# Altium PCB praxis_top_level_pcbdoc_v2.PcbDoc (part 2 of 4) (continued)
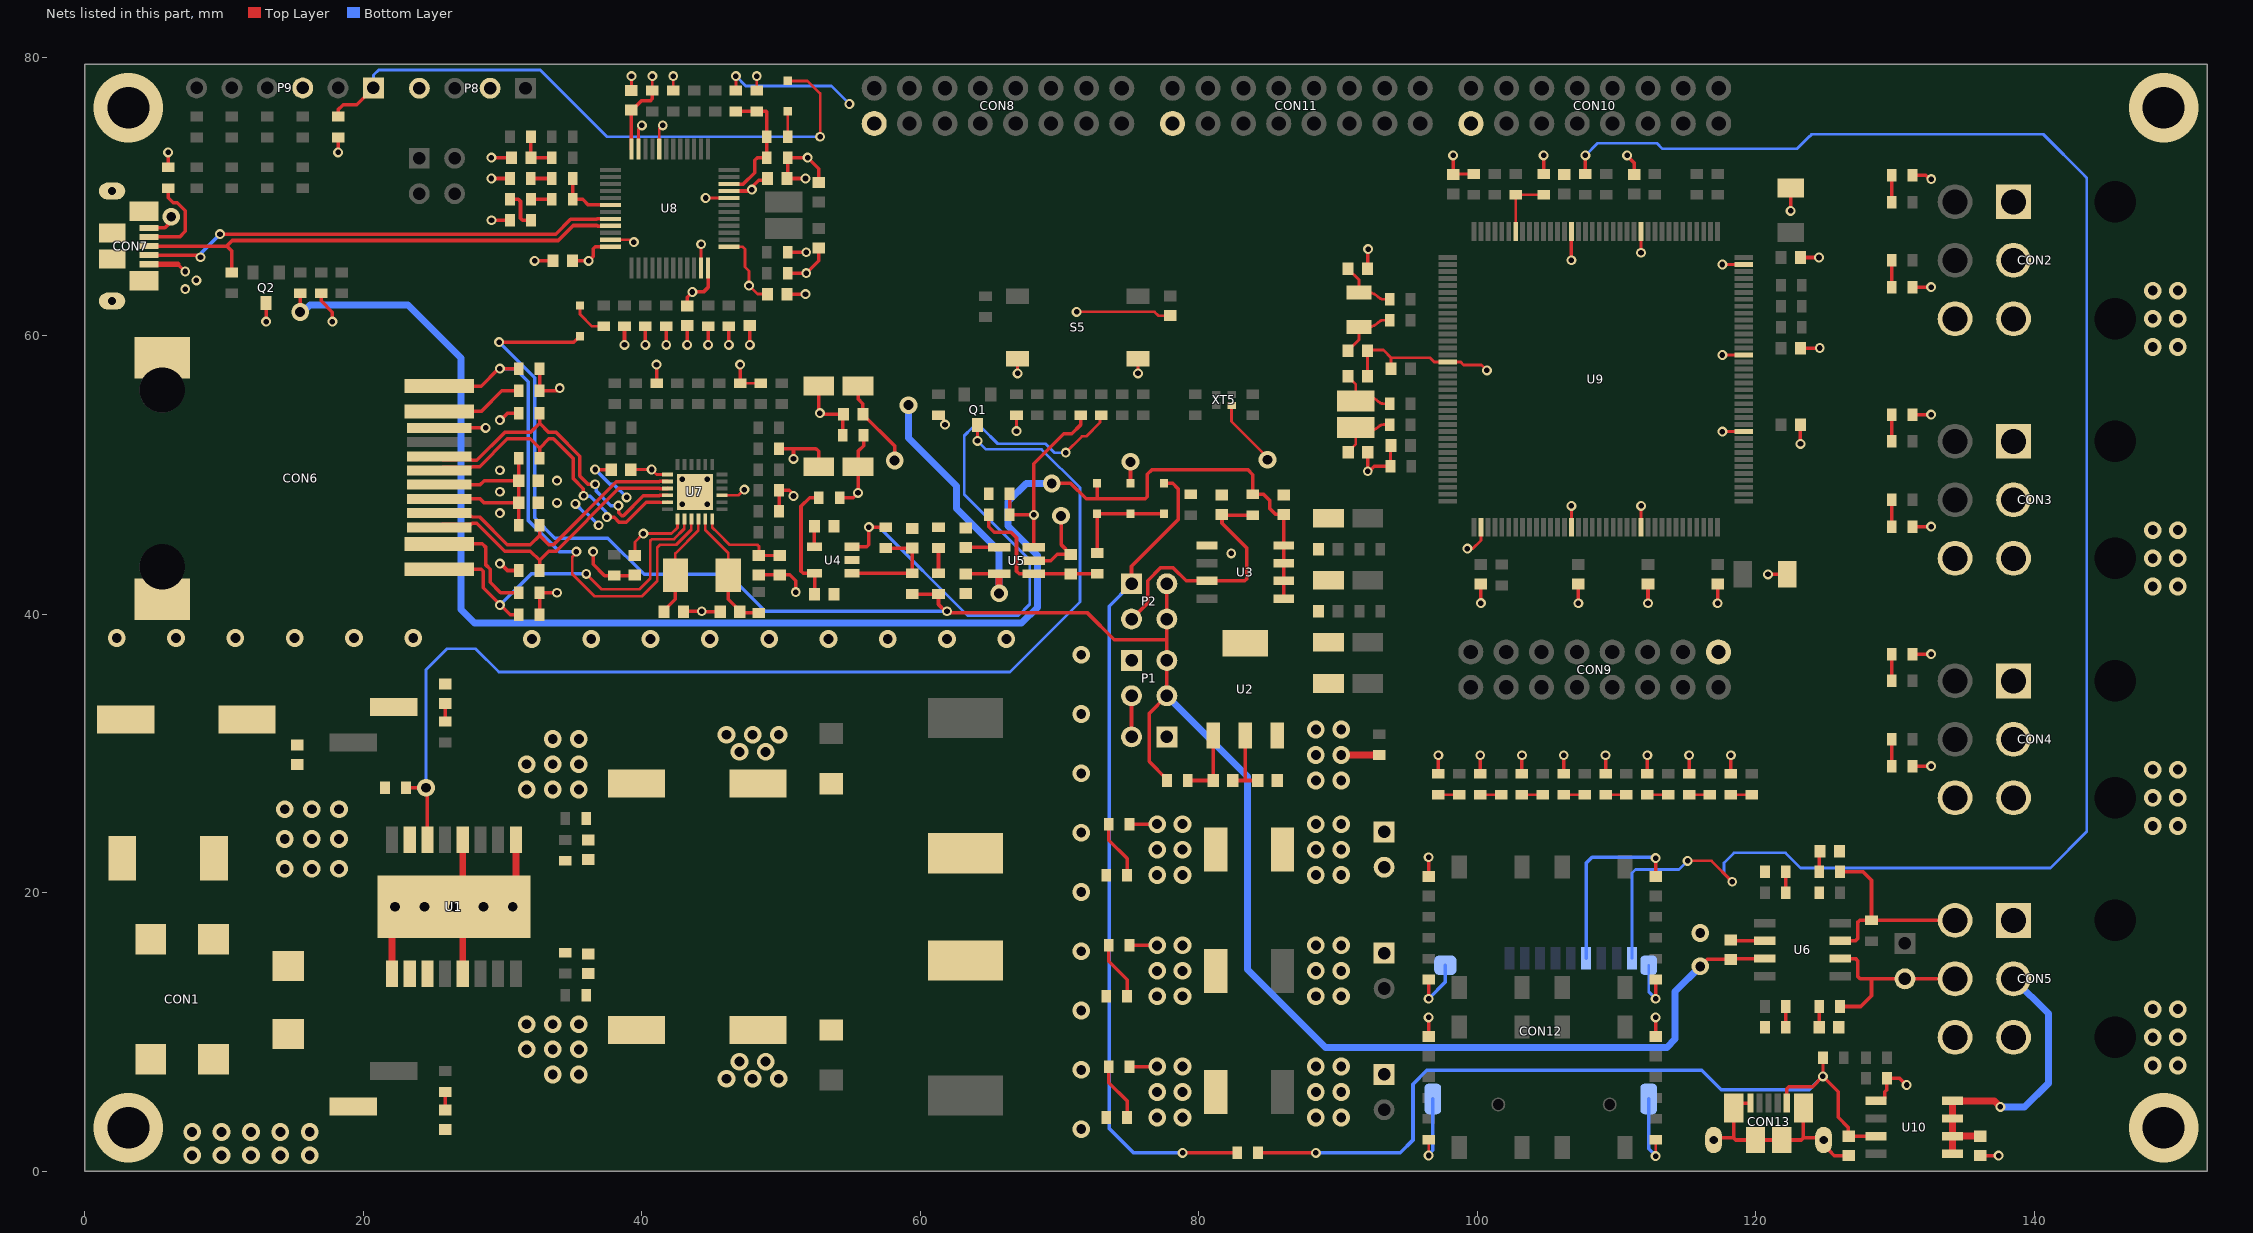
[diagram p4: the nets of this part, all layers, seen from the top]
## Part data (continued)
U6: library part MCP2551-ISN, "1/1 Transceiver Half CANbus 8-SOIC", Supplier Part Number 1=MCP2551-I/SN-ND, Supplier 1=Digi-Key
U7: library part LAN8742A-CZ_MOD, "IC TRANSCEIVER 1/1 24SQFN", Manufacturer=Microchip, Supplier Part Number 1=LAN8742A-CZ-ND, Category="Interface ICs", Manufacturer Part Number=LAN8742A-CZ, Supplier 1=Digi-Key
U8: "IC MCU 32BIT 128KB FLASH 48LQFP", Case/Package=LQFP, Frequency=72MHz, Manufacturer=STMicroelectronics, Max Operating Temperature=85°C, Max Power Dissipation=363mW, Max Supply Voltage=3.6V, Min Operating Temperature=-40°C, Min Supply Voltage=2V, Package Quantity=250, Supplier Part Number 1=497-6288-ND, Address Bus Width=32b, Category=Microcontrollers, Contact Plating=Gold, Core Architecture=ARM, Data Bus Width=32b, Density=128KB, Height=1.45mm, Interface=I2C,SPI,USB,CAN,IrDA,UART,USART,LIN, Lead Free="Lead Free", Length=7mm, Manufacturer Part Number=STM32F103CBT6, Max Frequency=72MHz, Memory Size=128KB, Memory Type=FLASH, Number of ADC Channels=10, Number of Bits=32, Number of I2C Channels=2, Number of I/Os=37, Number of Pins=48, Number of Programmable I/O=37, Number of PWM Channels=12, Number of SPI Channels=2, Number of Timers/Counters=4, Oscillator Type=Internal, Packaging=Tray, Peripherals="POR,PWM,WDT,DMA,Temp Sensor,I2C", Radiation Hardening=No, RAM Size=20KB, REACH SVHC="No SVHC", Supplier 1=Digi-Key, Termination=SMD/SMT, Watchdog Timer=Yes, Width=7.2mm
U9: "ARM Microcontrollers - MCU High-performance and DSP with FPU, ARM Cortex-M7 MCU with 1 Mbytes Flash, 200 MHz CPU, Art Accelerator, L1 cache, SDRAM", Case/Package=LQFP, Frequency=216MHz, Manufacturer=STMicroelectronics, Max Operating Temperature=85°C, Max Supply Voltage=3.6V, Min Operating Temperature=-40°C, Min Supply Voltage=1.7V, Category=Microcontrollers, ComponentLink1Description=http://www.alliedelec.com/images/products/datasheets/bm/STMICROELECTRONICS/70612621.pdf?src-supplier=Allied+Electronics, ComponentLink1URL=http://www.alliedelec.com/images/products/datasheets/bm/STMICROELECTRONICS/70612621.pdf?src-supplier=Allied+Electronics, ComponentLink2Description=http://www.farnell.com/datasheets/2309059.pdf?src-supplier=Farnell, ComponentLink2URL=http://www.farnell.com/datasheets/2309059.pdf?src-supplier=Farnell, ComponentLink3Description=http://www.mouser.com/ds/2/389/stm32f745ie-956321.pdf?src-supplier=Mouser, ComponentLink3URL=http://www.mouser.com/ds/2/389/stm32f745ie-956321.pdf?src-supplier=Mouser, ComponentLink4Description=http://www.st.com/content/ccc/resource/technical/document/errata_sheet/4d/39/a6/8c/84/47/47/67/DM00145382.pdf/files/DM00145382.pdf/jcr:content/translations/en.DM00145382.pdf?src-supplier=Digi-Key, ComponentLink4URL=http://www.st.com/content/ccc/resource/technical/document/errata_sheet/4d/39/a6/8c/84/47/47/67/DM00145382.pdf/files/DM00145382.pdf/jcr:content/translations/en.DM00145382.pdf?src-supplier=Digi-Key, ComponentLink5Description=http://www.farnell.com/datasheets/2309059.pdf?src-supplier=Newark, ComponentLink5URL=http://www.farnell.com/datasheets/2309059.pdf?src-supplier=Newark, ComponentLink6Description=http://www.farnell.com/datasheets/2006547.pdf?src-supplier=Element14, ComponentLink6URL=http://www.farnell.com/datasheets/2006547.pdf?src-supplier=Element14, Core Architecture=ARM, Data Bus Width=32b, Data Rate=480Mbps, Height=1.45mm, Interface=I2C,SPI,USB,CAN,Ethernet,IrDA,SD,UART,USART,LIN,EBI/EMI, Lead Free="Lead Free", Length=20.2mm, Manufacturer Part Number=STM32F746ZGT6, Max Frequency=216MHz, Memory Size=1MB, Memory Type=FLASH,OTP, Mount="Surface Mount", Number of ADC Channels=24, Number of I/Os=114, Number of Pins=144, Number of PWM Channels=6, Number of Timers/Counters=15, Number of USB Channels=2, Oscillator Type=Internal, Packaging=Tray, Peripherals="Brown-out Detect/Reset,POR,PWM,WDT,DMA,LCD", Pricing 1="60=9,23015, 62=8,97375, 122=8,73122, 300=8,50146, 600=8,28347 (USD)", RAM Size=320KB, REACH SVHC="No SVHC", RoHS=Yes, Stock 1=360, Supplier 1=Avnet, Supplier Part Number 1=STM32F746ZGT6, Width=20.2mm
XT1: "E5FA 25.0000 F15 E33", Supplier Part Number 1=E5FA25.0000F16D55, Supplier 1="Future Electronics"
XT2: "CRYSTAL 8.0000MHZ 8PF SMD", Case/Package=SMD/SMT, ESR (Equivalent Series Resistance)=500R, Frequency=8MHz, Frequency Stability=150ppm, Frequency Tolerance=50ppm, Load Capacitance=8pF, Manufacturer=NDK, Manufacturer Part Number=NX3225GD-8MHZ-STD-CRA-3, Max Operating Temperature=150°C, Min Operating Temperature=-40°C, Package Quantity=3000, Category=Crystals, Height=0.039inch, Length=0.126inch, Mount="Surface Mount", Number of Pins=2, Packaging="Tape and Reel", Supplier 1=Digi-Key, Width=0.098inch
XT3: library part NX3215SA-32, "CRYSTAL 32.7680KHZ 12.5PF SMD", Case/Package=SMD/SMT, ESR (Equivalent Series Resistance)=70kR, Frequency=32.768kHz, Frequency Tolerance=20ppm, Load Capacitance=12.5pF, Manufacturer=NDK, Max Operating Temperature=85°C, Min Operating Temperature=-40°C, Package Quantity=1000, Supplier Part Number 1=644-1156-1-ND, Category=Crystals, ComponentLink1Description=https://datasheet.ciiva.com/857/c-nx3215sa-std-mua-9-e-857050.pdf?src-supplier=Digi-Key, ComponentLink1URL=https://datasheet.ciiva.com/857/c-nx3215sa-std-mua-9-e-857050.pdf?src-supplier=Digi-Key, ComponentLink2Description=https://datasheet.ciiva.com/857/c-nx3215sa-std-mua-9-e-857051.pdf?src-supplier=Digi-Key, ComponentLink2URL=https://datasheet.ciiva.com/857/c-nx3215sa-std-mua-9-e-857051.pdf?src-supplier=Digi-Key, ComponentLink3Description=https://datasheet.ciiva.com/857/c-nx3215sa-std-mua-9-e-857052.pdf?src-supplier=Digi-Key, ComponentLink3URL=https://datasheet.ciiva.com/857/c-nx3215sa-std-mua-9-e-857052.pdf?src-supplier=Digi-Key, Height=0.035inch, Lead Free="Lead Free", Length=0.126inch, Manufacturer Part Number=NX3215SA-32.768K-STD-MUA-8, Mount="Surface Mount", Number of Pins=2, Packaging="Tape and Reel", Pricing 1="1=0,68000, 10=0,60200, 50=0,56280, 100=0,49740, 500=0,47124, 1000=0,39270 (USD)", RoHS=Yes, Stock 1=27210, Supplier 1=Digi-Key, Width=0.059inch
XT4: "CRISTAL 8MHZ SMD", Case/Package=SMD/SMT, ESR (Equivalent Series Resistance)=500R, Frequency=8MHz, Frequency Stability=150ppm, Frequency Tolerance=50ppm, Load Capacitance=8pF, Manufacturer=NDK, Manufacturer Part Number=NX3225GD-8MHZ-STD-CRA-3, Max Operating Temperature=150°C, Min Operating Temperature=-40°C, Package Quantity=3000, Supplier Part Number 1=644-1178-1-ND, Category=Crystals, Height=0.039inch, Length=0.126inch, Mount="Surface Mount", Number of Pins=2, Packaging="Tape and Reel", Supplier 1=Digi-Key, Width=0.098inch
XT5: "CRYSTAL CLOCK OSCILLATOR 25MHZ", Case/Package=SMD/SMT, Frequency=25MHz, Frequency Stability=30ppm, Load Capacitance=15pF, Manufacturer=Abracon, Manufacturer Part Number=ASCO-25.000MHZ-EK-T3, Max Operating Temperature=70°C, Max Supply Current=6mA, Max Supply Voltage=3.63V, Min Operating Temperature=-20°C, Min Supply Voltage=2.97V, Operating Supply Voltage=3.3V, Package Quantity=3000, Supplier Part Number 1=535-12075-1-ND, ASCO=25MHz, Category=Oscillators, Height=0.028inch, Length=0.063inch, Mount="Surface Mount", Number of Pins=4, Packaging="Tape and Reel", Supplier 1=Digi-Key, Termination=SMD/SMT, Width=0.047inch
J7 J8 J9 J10 J11 J12 J13: Supplier 1=Digi-Key
J14 J15 J16 J17 J18 J19 J20 J21 J22 J23 J24 J25: Supplier 1=Avnet

## Via types
v1: diameter 0.711, hole 0.4, Top Layer to Bottom Layer, 343 vias
v2: diameter 1.27, hole 0.711, Top Layer to Bottom Layer, 160 vias
v3: diameter 5, hole 3, Top Layer to Bottom Layer, 4 vias

## Nets (pads, with @x,y where several pads share a name; then routed paths per layer and width w, separated by ;. In a path a pad name is that pad's centre, name@x,y a point inside that pad or via, vN(x,y) a via of type N, cw(c..) or ccw(c..) an arc to the next point about the centre after c; other vN are vias at no path point)
+3V3_MCP1825: C2.2 C29.1 C30.2 J32.1 L3.1 R35.2 R36.2 R37.2 R38.2 R39.2 R52.2 U2.3 U7.9 | length 26.8
  Top Layer w0.2: U7.9@45.75,48.55 46.95,48.55 v1(47.36,48.96) ; R52.2@46.75,77.617 v1(46.75,78.65) ; R35.2@47.05,56.6 R37.2@48.55,56.6
  Top Layer w0.254: R36.2@41.05,56.6 v1(41.05,57.932) ; R52.2@46.75,77.617 R52.2@46.85,77.617 ; R35.2@47.05,56.6 v1(47.05,57.932) ; R39.2@49.85,47.4 R38.2@49.85,48.9 50.569,48.9 50.885,48.583 v1(50.885,48.5) ; C29.1@52.7,56.4 52.7,54.525 52.85,54.375 C30.2@54.468,54.375 54.418,54.325 L3.1@54.418,52.875
  Top Layer w0.5: v2(90.223,29.896) J32.1@92.95,29.896
  Bottom Layer w0.2: v1(46.75,78.65) 47.459,77.94 53.61,77.94 v1(54.9,76.65)
  other v1: 52.775,54.45
  other v2: 88.394,28.067 90.223,28.067 88.394,29.896 88.394,31.725 90.223,31.725
+3V3_MIC5301: C13.1 L4.2 U4.5 | length 8.7
  Top Layer w0.254: U4.5@52.391,42.95 51.574,42.95 51.425,43.099 51.425,47.751 52.049,48.375 L4.2@52.7,48.375 ; C13.1@52.4,41.458 U4.5@52.4,42.941
+3V3_SPI: C3.1 C5.1 F3.1 L1.2 R1.2 R12.2 | length 2
  Top Layer w0.254: R12.2@75.02,16.229 v2(76.997,16.229)
  other v2: 33.6,6.95 35.475,6.95 31.725,8.762 33.6,8.762 35.475,8.762 31.725,10.561 33.6,10.561 35.475,10.561 76.997,12.571 78.826,12.571 76.997,14.4 78.826,14.4 78.826,16.229
+3V3_SPI_FUSE: CON2.1 CON3.1 CON4.1 CON5.1
  other v2: 88.394,12.571 90.223,12.571 88.394,14.4 90.223,14.4 88.394,16.229 90.223,16.229
+3V3_STLINK: C18.1 C37.2 C38.2 C39.2 C40.2 C41.2 J14.2 J15.2 J19.2 P8.4 Q2.3 R51.2 R53.2 U5.5 U8.1 U8.9 U8.24 U8.36 U8.48 | length 48.7
  Top Layer w0.2: J19.2@40.75,77.617 v1(40.75,78.65) ; U8.1@46.267,66.4 47.234,66.4 47.4,66.234 47.4,64.95 47.691,64.659 v1(47.691,63.609) 48.3,63 C39.2@49.017,63 ; R53.2@48.25,77.617 v1(48.25,78.65)
  Top Layer w0.254: v1(13.01,61.018) Q2.3@13.01,62.35 ; v1(29.199,68.3) J15.2@30.531,68.3 ; C37.2@35.025,65.377 v1(36.177,65.377) 36.5,65.7 36.5,66.251 36.649,66.4 U8.36@37.733,66.4 ; U8.24@39.25,73.417 C41.2@39.25,76.217 39.3,76.217 39.95,76.867 40.601,76.867 40.75,77.016 J19.2@40.75,77.617 ; v1(40.25,59.351) J14.2@40.25,60.683 ; C38.2@43.25,62.133 43.25,62.775 v1(43.625,63.15) 44.425,63.15 44.75,63.475 U8.48@44.75,64.883 ; v1(44.75,59.351) R51.2@44.75,60.683 ; U8.9@46.267,70.4 47.676,70.4 47.776,70.5 v1(47.9,70.5) 47.987,70.587 47.987,70.77 48.385,71.168 48.885,71.168 C40.2@49.017,71.3 ; C18.1@63.244,42.904 U5.5@65.658,42.904 ; v2@65.658,41.55 65.7,41.508 v2@65.7,41.5
  Top Layer w0.5: v2@65.658,41.55 U5.5@65.658,42.904
  Bottom Layer w0.5: v2(59.15,55.025) 59.15,52.675 62.6,49.225 62.6,47.607 65.658,44.549 v2(65.658,41.508)
+5V: C19.2 D20.1 J1.1 J5.1 P1.2 P1.4 P2.2 P2.4 R9.2 U6.3 | length 153.4
  Top Layer w0.254: v1(29.75,59.55) 35.117,59.55 D20.1@35.55,59.983 ; J5.1@59.4,41.458 R9.2@61.3,41.458 61.3,40.712 61.789,40.223 v1(61.912,40.223) ; v1@61.912,40.1 72,40.1 73.925,38.175 77.7,38.175 ; J1.1@77.7,28.067 77.7,28.167 76.43,29.437 76.43,32.88 P1.4@77.7,34.15 P1.2@77.7,36.69 77.7,38.175 ; P2.2@77.7,42.2 P2.4@77.7,39.66 77.7,38.175 ; v2(116,14.719) 116.5,15.219 C19.2@118.2,15.219 118.265,15.284 U6.3@120.646,15.284
  Bottom Layer w0.254: v1(29.75,59.55) 32.301,56.999 32.301,46.924 33.75,45.475 37.558,45.475 40.156,42.877 46.2,42.877 48.854,40.223 v1(61.912,40.223)
  Bottom Layer w0.5: P1.4@77.7,34.15 83.5,28.35 83.5,14.5 89.1,8.9 113.6,8.9 114.2,9.5 114.2,12.919 v2(116,14.719)
+5V_BAT: P1.3 P3.2 | length 2.9
  Top Layer w0.254: P3.2@75.16,31.2 P1.3@75.16,34.15
+5V_OTG_FS: D11.1 J41.1 P2.1 | length 59.1
  Top Layer w0.254: P2.1@75.16,42.2 75.16,43.46 78.5,46.8 78.5,49.025 78.112,49.412 D11.1@77.49,49.412 ; v1(78.826,1.325) J41.1@82.75,1.325
  Bottom Layer w0.254: P2.1@75.16,42.2 73.55,40.59 73.55,3.075 75.3,1.325 v1(78.826,1.325)
+5V_SPI: C4.1 C6.1 F2.1 L2.2 R2.2 R11.2 | length 2
  Top Layer w0.254: R11.2@75.02,24.934 v2(76.997,24.934)
  other v2: 76.997,21.276 78.826,21.276 76.997,23.105 78.826,23.105 78.826,24.934 31.725,27.425 33.6,27.425 35.475,27.425 31.725,29.238 33.6,29.238 35.475,29.238 33.6,31.05 35.475,31.05
+5V_SPI_FUSE: C72.2 CON2.2 CON3.2 CON4.2 CON5.2 D5.1 F2.2 P1.1 P5.2 U10.5 U10.6 U10.7 U10.8 | length 23.6
  Top Layer w0.254: D5.1@75.088,49.412 75.088,50.952 v2(75.09,50.954)
  Top Layer w0.5: U10.5@134.123,1.255 U10.6@134.123,2.525 ; C72.2@136.097,2.525 U10.6@134.123,2.525 ; v1(137.556,4.624) 137.122,5.058 134.131,5.058 U10.8@134.123,5.065 U10.7@134.123,3.795 U10.6@134.123,2.525
  Bottom Layer w0.5: v1(137.556,4.624) 139.299,4.624 141,6.325 141,11.324 CON5.2@138.5,13.824
  other v2: 88.394,21.276 90.223,21.276 88.394,23.105 90.223,23.105 88.394,24.934 90.223,24.934
+5V_STLINK: C16.1 J6.2 R17.2 U5.1 | length 11.4
  Top Layer w0.254: R17.2@64.9,47.145 64.9,46.3 65.3,45.9 66.5,45.9 66.9,45.5 66.9,43.1 67.096,42.904 U5.1@68.145,42.904 70.786,42.904 C16.1@70.79,42.908 J6.2@72.69,42.908
+5V_USB_STLINK: C10.2 CON7.1 D6.1 J2.2 R65.2 U3.5 U3.6 U3.7 U3.8 | length 118.6
  Top Layer w0.254: 6.677,65.15 v1(7.208,64.618) ; v2(15.46,61.718) R65.2@15.46,63.05 ; v2(69.434,49.4) 70.8,49.4 71.9,48.3 72.7,48.3 ; D6.1@72.686,49.412 72.686,48.314 72.7,48.3 ; U3.5@86.094,41.13 U3.6@86.094,42.4 U3.7@86.094,43.67 U3.8@86.094,44.94 C10.2@86.094,47.167 ; C10.2@86.1,47.173 86.073,47.2 85.5,47.2 85.073,47.627 85.073,48.189 84.638,48.623 J2.2@83.875,48.623 83.875,50.025 83.5,50.4 76.649,50.4 76.3,50.051 76.3,48.449 76.151,48.3 72.7,48.3
  Top Layer w0.4: CON7.1@4.6,65.15 6.677,65.15
  Bottom Layer w0.5: v2(15.46,61.718) 15.668,61.718 16.174,62.224 23.201,62.224 27.016,58.409 27.016,40.334 27.986,39.364 67.264,39.364 68.4,40.5 68.4,44.239 66.3,46.339 66.3,48.1 67.6,49.4 v2(69.434,49.4)
  other v1: 7.208,63.35 8.008,63.984
+12V: C14.1 C15.1 D4.2 F1.1 R10.2 R13.2 U1.2 U1.3 U1.15 | length 2
  Top Layer w0.254: R10.2@75.02,7.524 v2(76.997,7.524)
  other v2: 76.997,3.866 78.826,3.866 76.997,5.695 78.826,5.695 78.826,7.524 14.35,21.725 16.3,21.725 18.25,21.725 14.35,23.863 16.3,23.863 18.25,23.863 14.35,26 16.3,26 18.25,26
+12V_FUSE: CON2.3 CON3.3 CON4.3 CON5.3
  other v2: 88.394,3.866 90.223,3.866 88.394,5.695 90.223,5.695 88.394,7.524 90.223,7.524 148.5,7.6 150.3,7.6 148.5,9.624 150.3,9.624 148.5,11.648 150.3,11.648 148.5,24.8 150.3,24.8 148.5,26.824 150.3,26.824 148.5,28.848 150.3,28.848 148.5,42 150.3,42 148.5,44.024 150.3,44.024 148.5,46.048 150.3,46.048 148.5,59.2 150.3,59.2 148.5,61.224 150.3,61.224 148.5,63.248 150.3,63.248
+12V_JACK: CON1.1 D3.2 D4.1
AIN_1: R52.1 R53.1 R61.2 R69.1 U8.10 | length 9.5
  Top Layer w0.254: U8.10@46.267,70.9 47.283,70.9 48.1,71.717 48.1,72.6 48.3,72.8 R61.2@48.967,72.8 R69.1@48.967,74.3 48.967,76.083 48.933,76.117 R53.1@48.25,76.117 R52.1@46.75,76.117
BOOT0: R86.1 R89.2 U9.138 | length 4.6
  Top Layer w0.2: U9.138@102.75,67.5 R86.1@102.75,70.125 R89.2@104.75,70.125
BYPASS: C17.1 U5.4 | length 2.4
  Top Layer w0.254: C17.1@63.244,44.804 U5.4@65.658,44.804
C/E: Q1.3 R13.1 U1.14 | length 82.2
  Top Layer w0.2: v1(64.1,52.458) Q1.3@64.1,53.6
  Top Layer w0.254: R13.1@23.05,27.55 v2(24.5,27.55) 24.595,27.455 U1.14@24.595,23.8
  Bottom Layer w0.2: v2(24.5,27.55) 24.5,36.025 26,37.525 28.05,37.525 29.725,35.85 66.425,35.85 71.454,40.879 71.454,49.096 68.7,51.85 64.708,51.85 v1(64.1,52.458)
CAN_H: CON5.4 R26.2 R28.1 U6.7 | length 14.9
  Top Layer w0.254: U6.7@126.046,16.554 127.151,16.554 127.3,16.702 127.3,17.875 127.449,18.024 R26.2@128.3,18.024 ; R28.1@126.046,21.5 127.7,21.5 128.3,20.9 R26.2@128.3,18.024 ; CON5.4@134.3,18.024 R26.2@128.3,18.024
CAN_L: CON5.5 P7.2 R27.1 U6.6 | length 13.3
  Top Layer w0.254: R27.1@126.046,11.837 127.539,11.837 128.3,12.598 128.3,13.8 ; U6.6@126.046,15.284 127.151,15.284 127.3,15.135 127.3,14 127.476,13.824 128.3,13.824 P7.2@130.7,13.824 CON5.5@134.3,13.824
CT: C22.1 C23.2 C24.2 C25.2 C26.2 CON6.5 CON6.6 L3.2 L4.1 R31.2 R32.2 R33.2 R34.2 U7.1 U7.19 | length 33.2
  Top Layer w0.2: C23.2@39.2,50.4 v1(40.7,50.4) 41.05,50.05 U7.19@41.85,50.05 ; C24.2@39.5,44.233 39.5,45.2 v1(40.1,45.8) 42.134,45.8 42.55,46.216 U7.1@42.55,46.85
  Top Layer w0.254: CON6.5@25.453,48.29 28.378,48.29 28.667,48.001 C25.2@31.151,48.001 ; CON6.6@25.453,49.31 28.378,49.31 28.672,49.604 C26.2@31.151,49.604 ; v1(29.803,43.648) 29.844,43.648 30.344,43.148 R31.2@31.151,43.148 ; v1(29.803,53.952) 29.844,53.952 30.344,54.452 R34.2@31.151,54.452 ; R32.2@31.151,46.406 C25.2@31.151,48.001 ; R33.2@31.151,51.208 C26.2@31.151,49.604 ; L4.1@54.2,48.375 55.175,48.375 v1(55.52,48.72) C22.1@55.52,50.6 55.52,51.72 55.918,52.118 L3.2@55.918,52.875 ; C25.2@31.151,48.001 C25.2@31.151,48.01 C26.2@31.151,49.604
  other v1: 29.803,47.27 29.803,48.807 29.803,50.344
DP_ETH_RX_N: CON6.8 R34.1 U7.22 | length 23.1
  Top Layer w0.25: CON6.8@25.453,51.35 25.688,51.115 27.754,51.115 27.799,51.07 28.153,51.07 30.143,53.06 31.991,53.06 32.651,53.72 ; R34.1@32.651,54.452 32.651,53.72 ; v1(36.639,49.339) 36.621,49.358 36.125,49.358 35.544,49.938 35.544,51.356 33.84,53.06 33.311,53.06 32.651,53.72 ; v1(38.309,47.809) 38.327,47.791 38.327,47.294 38.543,47.078 38.678,47.078 40.11,48.51 41.234,48.51 41.274,48.55 U7.22@41.85,48.55
  Bottom Layer w0.25: v1(36.639,49.339) 36.704,49.275 36.704,48.871 37.771,47.804 38.304,47.804 v1(38.309,47.809)
DP_ETH_RX_P: CON6.7 R33.1 U7.23 | length 23
  Top Layer w0.25: CON6.7@25.453,50.33 25.688,50.565 27.754,50.565 27.799,50.61 28.343,50.61 30.333,52.6 31.991,52.6 32.651,51.94 ; R33.1@32.651,51.208 32.651,51.94 ; v1(35.818,48.518) 35.799,48.536 35.799,49.032 35.084,49.747 35.084,51.165 33.649,52.6 33.311,52.6 32.651,51.94 ; v1(37.487,46.987) 37.506,46.969 38.002,46.969 38.353,46.618 38.869,46.618 40.301,48.05 41.274,48.05 41.293,48.031 41.85,48.031 U7.23@41.85,48.05
  Bottom Layer w0.25: v1(35.818,48.518) 35.864,48.471 36.304,48.471 37.399,47.376 37.399,47.075 v1(37.487,46.987)
DP_ETH_TX_N: CON6.4 R32.1 U7.20 | length 20.5
  Top Layer w0.25: CON6.4@25.453,47.27 25.688,47.035 27.754,47.035 27.799,46.99 28.343,46.99 30.333,45 31.991,45 32.651,45.66 ; R32.1@32.651,46.392 32.651,45.66 ; U7.20@41.85,49.55 41.274,49.55 41.234,49.51 38.159,49.51 33.649,45 33.311,45 32.651,45.66
DP_ETH_TX_P: CON6.3 R31.1 U7.21 | length 20.5
  Top Layer w0.25: CON6.3@25.453,46.25 25.688,46.485 27.754,46.485 27.799,46.53 28.153,46.53 30.143,44.54 31.991,44.54 32.651,43.88 ; R31.1@32.651,43.148 32.651,43.88 ; U7.21@41.85,49.05 41.85,49.031 41.293,49.031 41.274,49.05 38.35,49.05 33.84,44.54 33.311,44.54 32.651,43.88
DP_STLINK_USB_N: CON7.2 U8.32 | length 34.1
  Top Layer w0.254: CON7.2@4.6,65.8 v1@8.019,65.8 ; v1(9.7,67.3) 33.8,67.3 34.877,68.377 36.771,68.377 36.794,68.4 U8.32@37.733,68.4
  Bottom Layer w0.254: v1(8.3,65.642) 8.387,65.73 8.387,65.987 v1(9.7,67.3)
DP_STLINK_USB_P: CON7.3 R67.2 U8.33 | length 35.8
  Top Layer w0.254: CON7.3@4.6,66.45 10.191,66.45 ; R67.2@10.56,64.55 10.56,66.081 10.191,66.45 ; U8.33@37.733,67.9 37.733,67.869 36.825,67.869 36.771,67.923 35.065,67.923 33.988,66.846 10.588,66.846 10.191,66.45
EN: J29.2 R8.1 U4.3 | length 44.5
  Top Layer w0.2: v1(70.436,51.611) 71.61,52.784 71.909,52.784 72.892,53.767 72.892,54.192 J29.2@73,54.3
  Top Layer w0.254: U4.3@55.091,44.85 56.151,44.85 56.3,44.999 v1(56.3,46.258) R8.1@57.5,46.258
  Bottom Layer w0.2: v1(56.3,46.258) 57.042,46.258 63.386,39.914 67.036,39.914 67.85,40.728 67.85,43.9 63.15,48.6 63.15,52.825 63.715,53.389 64.411,53.389 65.55,52.25 68.975,52.25 69.614,51.611 v1(70.436,51.611)
GND: C1.1 C2.1 C3.2 C4.2 C5.2 C6.2 C7.1 C8.1 C9.1 C10.1 C11.2 C12.2 C13.2 C14.2 C15.2 C16.2 C17.2 C18.2 C19.1 C20.1 C21.1 C22.2 C23.1 C24.1 C25.1 C26.1 C27.1 C28.1 C29.2 C30.1 C31.1 C32.1 C33.1 C34.1 C35.1 C36.1 C37.1 C38.1 C39.1 C40.1 C41.1 C42.1 C43.1 C44.1 C45.1 C46.1 C47.1 C48.1 C49.1 C50.1 C51.1 C52.1 C53.1 C54.1 C55.1 C56.2 C57.2 C58.2 C59.2 C60.2 C61.1 C62.1 C63.2 C64.2 C65.2 C66.1 C67.1 C68.1 C69.1 C70.1 C71.1 C72.1 CON1.2 CON1.3 CON2.6 CON3.6 CON4.6 CON5.6 CON6.10 CON6.13 CON6.14 CON7.5 CON7.6 CON8.9 CON9.9 CON10.9 CON11.9 CON12.6 CON12.10 CON13.5 CON13.6 D1.1 D2.1 D3.1 D7.2 D8.2 D9.2 D10.2 D22.2 D24.2 D25.2 D26.2 D27.2 D28.2 D29.2 D30.2 D31.2 J3.2 J4.2 J18.1 J20.1 J34.1 P3.1 P4.1 P5.1 P6.1 P8.2 P9.3 R3.1 R4.1 R7.1 R15.1 R16.1 R18.2 R19.2 R20.2 R21.2 R22.2 R23.2 R24.2 R25.2 R29.2 R30.2 R45.1 R46.1 R47.1 R48.1 R49.1 R50.1 R54.1 R56.1 R57.1 R59.1 R60.2 R61.1 R68.1 R70.1 R88.1 R89.1 R98.1 R100.1 R102.1 R104.1 R106.1 S5.3 S5.4 U1.1 U1.5 U1.9 U1.12 U1.17 U2.2 U2.4 U3.1 U4.2 U5.2 U6.2 U7.25 U8.8 U8.20 U8.23 U8.35 U8.47 U9.16 U9.38 U9.51 U9.61 U9.83 U9.94 U9.107 U9.120 U9.130 U10.1 XT5.2 | length 249.8
  Top Layer w0.2: U8.35@37.733,66.9 39.116,66.9 39.287,66.729 v1(39.425,66.729) ; C41.1@39.25,77.617 v1(39.25,78.65) ; U8.23@39.75,73.417 39.75,74.861 v1(40,75.111) ; U8.20@41.25,73.417 41.25,74.861 v1(41.5,75.111) ; J20.1@42.25,77.617 v1(42.25,78.65) ; U8.47@44.25,64.883 v1(44.25,66.576) ; v1(44.575,69.898) 44.575,69.9 U8.8@46.267,69.9 ; R15.1@61.3,54.3 61.4,54.3 61.65,54.05 61.65,53.879 61.766,53.762 v1(61.766,53.624) ; v1(66.9,53.158) R16.1@66.9,54.3 ; v1(66.975,57.308) S5.3@66.975,58.35 ; v1(71.212,61.725) 76.807,61.725 77.082,61.45 C70.1@77.925,61.45 ; v1(75.625,57.308) S5.4@75.625,58.35 ; XT5.2@82.35,55 82.35,53.849 84.925,51.274 v2(84.925,51.1) ; C64.2@92.113,57.1 C63.2@92.113,58.928 92.165,58.98 93.249,58.98 93.8,58.429 ; J34.1@93.75,50.625 93.75,52.075 C43.1@93.8,52.125 ; C42.1@93.8,57.625 93.8,58.429 ; v1(96.5,1.14) R104.1@96.5,2.275 ; C53.1@98.25,71.75 98.375,71.625 R88.1@99.75,71.625 ; v1(99.275,44.717) 99.667,44.717 100.25,45.3 U9.38@100.25,46.25 ; v1(100.685,57.525) 100.295,57.916 99.009,57.916 98.8,58.125 U9.16@97.875,58.125 96.9,58.125 96.596,58.429 93.8,58.429 ; U9.51@106.75,46.25 v1(106.75,47.783) ; v1(111.748,65.969) 111.75,65.971 U9.120@111.75,67.5 ; U9.61@111.75,46.25 v1(111.75,47.783) ; v1(112.8,1.093) R98.1@112.8,2.275 ; v1(117.592,53.125) U9.83@119.125,53.125 ; v1(117.592,58.625) U9.94@119.125,58.625 ; v1(117.592,65.125) U9.107@119.125,65.125
  Top Layer w0.254: CON7.5@4.6,67.75 5.75,67.75 6.2,68.2 v2(6.2,68.55) ; R56.1@5.98,72.1 v1(5.98,73.175) ; v2@6.3,68.55 v2@6.4,68.65 ; R68.1@16.96,63.05 16.96,62.518 17.775,61.703 v1(17.775,61.018) ; v1(18.18,73.175) R70.1@18.18,74.25 ; CON6.10@25.453,53.39 v1(28.778,53.39) ; v1(29.193,71.3) D22.2@30.525,71.3 ; v1(29.193,72.8) C36.1@30.628,72.8 ; v1(32.293,65.377) C37.1@33.625,65.377 ; R47.1@32.651,39.958 R48.1@32.651,41.553 v1(33.903,41.553) ; R46.1@32.651,57.642 R49.1@32.651,56.047 33.903,56.047 v1(34.099,56.243) ; v1(36.5,44.5) 36.5,43.6 37.317,42.783 R45.1@38,42.783 39.45,42.783 C24.1@39.5,42.833 ; v1(36.639,50.4) C23.1@37.8,50.4 ; v1(38.75,59.351) R57.1@38.75,60.683 ; v1(41.75,59.351) R54.1@41.75,60.683 ; C31.1@42.975,40.2 42.998,40.223 v1(44.3,40.223) ; v1(43.25,59.351) C38.1@43.25,60.733 ; v1@44.3,40.2 C32.1@45.625,40.2 ; v1(46.25,59.351) J18.1@46.25,60.683 ; v1(47.75,59.351) C33.1@47.75,60.733 ; C28.1@48.4,42.833 C27.1@49.9,42.833 50.617,42.833 51.05,42.4 v1(51.05,41.6) v1@51.05,41.55 ; R50.1@49.85,51.9 50.885,51.9 ; C39.1@50.417,63 v1(51.749,63) ; R59.1@50.467,64.5 v1(51.799,64.5) 52.7,65.401 C34.1@52.7,66.305 ; R60.2@50.467,66 v1(51.799,66) ; R61.1@50.467,72.8 50.467,71.35 C40.1@50.417,71.3 v1(51.749,71.3) ; R61.1@50.567,72.8 v1(51.899,72.8) 52.7,71.999 C35.1@52.7,71.005 ; v1(50.885,51.164) 50.885,51.9 ; C22.2@52.7,50.6 52.7,51.7 52.5,51.9 50.885,51.9 ; C29.2@55.52,56.4 55.52,55.48 55.868,55.132 C30.1@55.868,54.375 58.15,52.093 v2(58.15,51.05) ; U5.2@68.145,43.854 69.365,43.854 69.819,44.308 C16.2@70.79,44.308 70.8,44.318 70.1,45.018 v2(70.1,47.075) ; C1.1@82.425,28.067 83.325,28.067 ; U2.2@83.325,31.3 83.325,28.067 ; C2.1@84.225,28.067 83.325,28.067 ; C56.2@92.113,64.812 92.113,66.194 v1(92.148,66.23) ; C65.2@92.127,51.655 v1(92.127,50.273) 92.251,50.273 92.603,50.625 J34.1@93.75,50.625 ; C69.1@96.5,9.675 v1(96.5,11.057) ; v1(96.5,12.393) R102.1@96.5,13.775 ; C68.1@96.5,21.175 v1(96.5,22.557) ; D31.2@97.2,28.55 v1(97.2,29.882) ; C53.1@98.25,71.75 v1(98.25,72.957) ; D24.2@100.2,28.55 v1(100.2,29.882) ; v1(100.25,40.809) C44.1@100.25,42.175 ; D25.2@103.2,28.55 v1(103.2,29.882) ; R89.1@104.75,71.625 v1(104.75,72.957) ; D26.2@106.2,28.55 v1(106.2,29.882) ; C52.1@106.2,71.625 C52.1@106.25,71.575 ; v1(106.75,65.425) U9.130@106.75,67.5 ; v1(107.25,40.793) C45.1@107.25,42.175 ; D27.2@109.2,28.55 v1(109.2,29.882) ; v1(110.75,72.957) 110.75,72.915 111.25,72.415 C51.1@111.25,71.575 ; D28.2@112.2,28.55 v1(112.2,29.882) ; v1(112.25,40.793) C46.1@112.25,42.175 ; C66.1@112.8,9.675 v1(112.8,11.057) ; v1(112.8,12.393) R100.1@112.8,13.775 ; C67.1@112.8,21.175 v1(112.8,22.491) ; D29.2@115.2,28.55 v1(115.2,29.882) ; CON13.6@117.109,2.399 118.41,2.399 ; v1(117.25,40.793) C47.1@117.25,42.175 ; C19.1@118.2,16.619 118.265,16.554 U6.2@120.646,16.554 ; D30.2@118.2,28.55 v1(118.2,29.882) ; CON13.5@119.61,4.9 118.77,4.9 CON13.6@118.41,4.54 118.41,2.399 ; v1(120.868,42.875) C54.1@122.25,42.875 ; v1(122.49,68.975) 122.49,70.615 C55.1@122.5,70.625 ; v1(123.2,52.243) C48.1@123.2,53.625 ; C49.1@123.2,59.125 v1(124.582,59.125) ; C50.1@123.2,65.625 v1(124.528,65.625) ; CON13.6@123.41,4.54 123.41,2.399 ; CON13.6@124.711,2.399 123.41,2.399 ; CON13.6@125.284,1.476 125.635,1.125 C71.1@126.65,1.125 ; U10.1@128.623,5.065 129.073,5.065 129.246,5.238 129.246,5.705 129.41,5.869 R106.1@129.41,6.7 130.283,6.7 130.783,6.2 v1(130.825,6.2) ; R23.2@131.247,29.1 v1(132.579,29.1) ; R24.2@131.247,37.148 v1(132.579,37.148) ; R21.2@131.247,46.3 v1(132.579,46.3) ; R22.2@131.247,54.348 v1(132.579,54.348) ; R19.2@131.247,63.5 v1(132.579,63.5) ; R20.2@131.26,71.535 132.189,71.535 132.468,71.256 v1(132.592,71.256) ; C72.1@136.097,1.125 v1(137.429,1.125) ; 118.41,2.399 118.559,2.25 CON13.6@119.97,2.25 CON13.6@121.85,2.25 123.261,2.25 123.41,2.399
  Top Layer w0.5: U1.1@22.055,14.2 U1.17@22.055,18.365 ; U1.5@27.135,14.2 U1.17@27.135,18.365 ; U1.17@27.135,19.635 U1.12@27.135,23.8 ; U1.17@30.945,19.635 U1.9@30.945,23.8
  Bottom Layer w0.2: CON12.10@112.3,14.8 112.3,12.893 v1(112.8,12.393)
  Bottom Layer w0.254: v1(35.227,47.927) 35.233,47.927 35.904,47.255 36.037,47.255 v1(36.896,46.396) ; v1(36.639,50.4) 37.714,49.325 37.975,49.325 v1(38.9,48.4) ; v1(96.5,1.14) 96.5,1.217 96.8,1.517 CON12.10@96.8,5.2 ; v1(96.5,12.393) 97.7,13.593 CON12.10@97.7,14.8 ; CON12.6@107.8,15.3 107.8,22.125 108.232,22.557 112.734,22.557 v1(112.8,22.491) ; CON12.10@112.3,5.2 112.3,1.635 112.8,1.135 v1(112.8,1.093)
  other v1: 82.325,44.379 42.9,47.9 44.7,47.9 33.903,48.001 33.903,49.604 42.9,49.7 44.7,49.7
  other v2: 7.7,1.15 9.811,1.15 11.922,1.15 14.034,1.15 16.145,1.15 7.7,2.825 9.811,2.825 11.922,2.825 14.034,2.825 16.145,2.825 71.547,3.029 46.075,6.65 47.95,6.65 49.825,6.65 71.547,7.288 47.012,7.875 48.887,7.875 71.547,11.547 71.547,15.806 116,17.119 22.278,19 24.389,19 26.5,19 28.611,19 30.722,19 71.547,20.065 71.547,24.324 71.547,28.582 47.012,30.125 48.887,30.125 46.075,31.35 47.95,31.35 49.825,31.35 71.547,32.841 71.547,37.1 32.1,38.225 36.359,38.225 40.618,38.225 44.876,38.225 49.135,38.225 53.394,38.225 57.653,38.225 61.912,38.225 66.171,38.225 2.288,38.3 6.547,38.3 10.806,38.3 15.065,38.3 19.324,38.3 23.582,38.3
  other v3: 3.125,3.125 149.275,3.125 3.125,76.375 149.275,76.375
INHIBIT: J30.2 R17.1 R18.1 U5.3 | length 14.5
  Top Layer w0.254: R18.1@66.4,48.645 R17.1@66.4,47.145 v1(68.145,47.145) ; U5.3@68.145,44.804 v1(68.145,47.145) ; J30.2@71.5,54.3 71.5,53.6 70.875,52.975 70.3,52.975 68.145,50.82 v1(68.145,47.145)
LED_STLINK: R58.1 R64.2 U8.30 | length 4.4
  Top Layer w0.254: R64.2@35.025,71.3 R58.1@35.025,69.8 35.756,69.8 36.156,69.4 U8.30@37.733,69.4
NetC1_2: C1.2 J1.2 U2.1 | length 5.1
  Top Layer w0.254: J1.2@79.2,28.067 C1.2@81.025,28.067 U2.1@81.025,31.3
NetC7_2: C7.2 R5.1 | length 1.3
  Top Layer w0.254: C7.2@25.865,4.409 R5.1@25.865,5.7
NetC8_2: C8.2 R6.1 | length 1.3
  Top Layer w0.254: R6.1@25.865,32.3 C8.2@25.865,33.591
NetC9_2: C9.2 J2.1 P2.3 U3.3 | length 18.8
  Top Layer w0.254: P2.3@75.16,39.66 76.315,40.815 76.315,42.414 77.232,43.331 78.168,43.331 79.099,42.4 U3.3@80.594,42.4 83.3,42.4 83.449,42.549 83.449,44.751 81.659,46.541 81.659,47.165 C9.2@81.651,47.173 81.701,47.123 J2.1@83.875,47.123
NetC11_1: C11.1 J5.2 R8.2 U4.1 | length 8
  Top Layer w0.254: U4.1@55.095,42.954 59.396,42.954 J5.2@59.4,42.958 C11.1@59.4,44.758 R8.2@57.5,44.758
NetC12_1: C12.1 U4.4 | length 1.5
  Top Layer w0.254: U4.4@52.391,44.85 C12.1@52.391,46.333
NetC20_2: C20.2 R27.2 | length 1.5
  Top Layer w0.254: C20.2@124.546,10.337 R27.2@124.546,11.837
NetC21_2: C21.2 R28.2 | length 1.5
  Top Layer w0.254: R28.2@124.546,21.5 C21.2@124.546,23
NetC27_2: C27.2 C28.2 U7.6 | length 6.7
  Top Layer w0.2: U7.6@45.05,46.85 45.05,46.25 45.5,45.8 46.3,45 48.283,45 48.4,44.883 C28.2@48.4,44.233 C27.2@49.9,44.233
NetC31_2: C31.2 U7.4 XT1.1 | length 7.6
  Top Layer w0.2: XT1.1@42.4,42.808 42.4,44.369 44.05,46.019 U7.4@44.05,46.85
  Top Layer w0.254: C31.2@41.575,40.25 42.4,41.075 XT1.1@42.4,42.808
NetC32_2: C32.2 R44.1 U7.5 XT1.2 | length 9
  Top Layer w0.2: U7.5@44.55,46.85 44.55,46.05 46.2,44.4 XT1.2@46.2,42.808
  Top Layer w0.254: XT1.2@46.2,42.808 46.2,41.075 C32.2@47.025,40.25 ; C32.2@47.025,40.2 47.125,40.1 R44.1@48.4,40.1
NetC36_2: C36.2 J21.1 R63.1 | length 3
  Top Layer w0.254: J21.1@32.028,74.3 C36.2@32.028,72.8 R63.1@33.525,72.8
NetC56_1: C56.1 J31.1 XT3.2 | length 3.8
  Top Layer w0.2: C56.1@90.713,64.812 91.5,64.025 XT3.2@91.5,63.12 ; XT3.2@92.043,63.13 cw(c92.043,61.918) 92.9,62.775 ccw(c93.262,63.137) 93.262,62.625 J31.1@93.7,62.625
NetC63_1: C63.1 J35.1 XT3.1 | length 4.4
  Top Layer w0.2: C63.1@90.713,58.928 91.5,59.715 XT3.1@91.5,60.62 91.8,60.62 92.043,60.62 ccw(c92.043,61.832) 92.9,60.975 cw(c93.262,60.613) 93.262,61.125 J35.1@93.7,61.125
NetC64_1: C64.1 J36.1 XT4.2 | length 3.8
  Top Layer w0.2: C64.1@90.713,57.1 90.713,57.05 91.267,56.496 XT4.2@91.267,55.32 ; XT4.2@92.043,55.63 cw(c92.043,54.418) 92.9,55.275 ccw(c93.262,55.637) 93.262,55.125 J36.1@93.7,55.125
NetC65_1: C65.1 J38.1 XT4.1 | length 3.8
  Top Layer w0.2: C65.1@90.713,51.69 91.267,52.245 XT4.1@91.267,53.42 ; XT4.1@92.043,53.12 ccw(c92.043,54.332) 92.9,53.475 cw(c93.262,53.113) 93.262,53.625 J38.1@93.7,53.625
NetC71_2: C71.2 CON13.1 J41.2 J42.2 U10.3 | length 58.7
  Top Layer w0.2: v1(124.81,6.818) J42.2@124.81,8.15
  Top Layer w0.254: J41.2@84.25,1.325 v1(88.394,1.325) ; CON13.1@122.21,4.9 122.21,5.933 122.359,6.082 124.073,6.082 v1(124.81,6.818) 125.9,5.728 125.9,3.875 126.618,3.157 126.618,2.557 C71.2@126.65,2.525 U10.3@128.623,2.525
  Bottom Layer w0.254: v1(88.394,1.325) 94.45,1.325 95.375,2.25 95.375,6.256 96.369,7.25 116.1,7.25 117.5,5.85 123.842,5.85 v1(124.81,6.818)
NetCON6_1: CON6.1 R47.2 U7.2 | length 26.5
  Top Layer w0.2: v1(36.002,42.902) 36.002,42.898 37.1,41.8 39.818,41.8 40.6,42.582 40.6,45.283 40.717,45.4 42.3,45.4 43.044,46.144 U7.2@43.044,46.844
  Top Layer w0.254: CON6.1@25.453,43.24 25.463,43.25 28.45,43.25 28.524,43.176 28.6,43.1 28.6,41.9 30.542,39.958 R47.2@31.151,39.958
  Bottom Layer w0.254: v1(29.803,40.658) 32.044,42.9 v1@36,42.9
NetCON6_2: CON6.2 R48.2 | length 8.4
  Top Layer w0.254: CON6.2@25.453,45.06 28.54,45.06 28.8,44.8 28.8,43.542 29.1,43.242 29.1,42.3 29.847,41.553 R48.2@31.151,41.553
NetCON6_11: CON6.11 R49.2 | length 6.3
  Top Layer w0.254: CON6.11@25.453,54.58 28.48,54.58 29.947,56.047 R49.2@31.151,56.047
NetCON6_12: CON6.12 R46.2 U7.3 | length 38.1
  Top Layer w0.2: v1(35.3,44.5) 35.3,44.427 35,44.127 35,42.9 36.6,41.3 40,41.3 41.1,42.4 41.1,44.8 41.3,45 42.466,45 43.544,46.078 U7.3@43.544,46.844
  Top Layer w0.254: CON6.12@25.463,56.39 28.45,56.39 29.702,57.642 v1(29.803,57.642) R46.2@31.151,57.642
  Bottom Layer w0.254: v1(29.803,57.642) 30.908,57.642 31.847,56.703 31.847,46.736 34.083,44.5 v1(35.3,44.5)
NetCON7_4: CON7.4 R56.2 | length 6.6
  Top Layer w0.254: CON7.4@4.6,67.1 6.8,67.1 7.216,67.516 7.216,68.971 6.621,69.566 6.334,69.566 5.98,69.92 R56.2@5.98,70.6
NetCON12_9: CON12.9 R96.2 | length 130.3
  Top Layer w0.2: v1(115.1,22.3) 116.8,22.3 v1(118.3,20.8)
  Top Layer w0.254: R96.2@107.75,71.675 v1(107.75,72.957)
  Bottom Layer w0.2: v1(107.75,72.957) 108.623,73.83 112.895,73.83 113.295,73.43 122.93,73.43 123.836,74.336 123.874,74.336 124.011,74.473 140.631,74.473 143.637,71.467 143.762,71.342 143.762,24.408 141.146,21.792 123.204,21.792 122.123,22.873 118.419,22.873 117.702,22.156 117.702,21.398 v1(118.3,20.8) ; CON12.9@111.1,15.3 111.1,21.428 111.35,21.678 114.478,21.678 v1(115.1,22.3)
NetD5_2: D5.2 D6.2 D11.2 J6.1 | length 7.6
  Top Layer w0.254: J6.1@72.69,44.408 72.686,44.413 D6.2@72.686,47.212 D5.2@75.088,47.212 D11.2@77.49,47.212
NetD7_1: D7.1 R9.1 | length 1.8
  Top Layer w0.254: R9.1@61.3,42.958 D7.1@61.3,44.758
NetD8_1: D8.1 R10.1 | length 4.2
  Top Layer w0.254: R10.1@73.52,7.524 73.52,6.375 74.844,5.051 D8.1@74.844,3.866
NetD9_1: D9.1 R11.1 | length 4.2
  Top Layer w0.254: R11.1@73.52,24.934 73.52,23.785 74.844,22.461 D9.1@74.844,21.276
NetD10_1: D10.1 R12.1 | length 4.2
  Top Layer w0.254: R12.1@73.52,16.229 73.52,15.08 74.844,13.756 D10.1@74.844,12.571
NetD12_2: D12.2 R19.1 | length 1.9
  Top Layer w0.254: R19.1@129.747,63.5 D12.2@129.747,65.424
NetD13_2: D13.2 R20.1 | length 1.9
  Top Layer w0.254: D13.2@129.747,69.6 R20.1@129.747,71.524
NetD14_2: D14.2 R21.1 | length 1.9
  Top Layer w0.254: R21.1@129.747,46.3 D14.2@129.747,48.224
NetD15_2: D15.2 R22.1 | length 1.9
  Top Layer w0.254: D15.2@129.747,52.424 R22.1@129.747,54.348
NetD16_2: D16.2 R23.1 | length 1.9
  Top Layer w0.254: R23.1@129.747,29.1 D16.2@129.747,31.024
NetD17_2: D17.2 R24.1 | length 1.9
  Top Layer w0.254: D17.2@129.747,35.224 R24.1@129.747,37.148
NetD18_2: D18.2 R29.1 | length 1.5
  Top Layer w0.254: R29.1@122.146,10.337 D18.2@122.146,11.837
NetD19_2: D19.2 R30.1 | length 1.5
  Top Layer w0.254: D19.2@122.146,20 R30.1@122.146,21.5
NetD20_2: D20.2 R55.2 | length 2.7
  Top Layer w0.2: D20.2@35.55,62.183 35.55,61.55 36.417,60.683 R55.2@37.25,60.683
NetD21_1: D21.1 J15.1 | length 2.8
  Top Layer w0.254: D21.1@30.531,69.8 31.132,69.8 31.281,69.651 31.281,68.449 31.43,68.3 J15.1@32.031,68.3
NetD21_2: D21.2 R58.2 | length 1.5
  Top Layer w0.254: D21.2@32.031,69.8 R58.2@33.525,69.8
NetD22_1: D22.1 R64.1 | length 1.5
  Top Layer w0.254: D22.1@32.025,71.3 R64.1@33.525,71.3
NetD23_1: D23.1 P9.1 R70.2 | length 44.6
  Top Layer w0.2: D23.1@50.467,78.317 50.484,78.3 51.9,78.3 52.4,77.8 52.8,77.4 v1(52.8,74.3)
  Top Layer w0.254: R70.2@18.18,75.75 18.18,76.24 18.54,76.6 19.52,76.6 P9.1@20.72,77.8
  Bottom Layer w0.2: P9.1@20.72,77.8 20.72,78.72 21.1,79.1 32.7,79.1 37.5,74.3 v1(52.8,74.3)
NetD23_2: D23.2 R69.2 | length 1.8
  Top Layer w0.2: R69.2@50.467,74.3 D23.2@50.467,76.117
NetD24_1: D24.1 R75.2 | length 1.5
  Top Layer w0.2: D24.1@100.2,27.05 R75.2@101.7,27.05
NetD25_1: D25.1 R76.2 | length 1.5
  Top Layer w0.2: D25.1@103.2,27.05 R76.2@104.7,27.05
NetD26_1: D26.1 R77.2 | length 1.5
  Top Layer w0.2: D26.1@106.2,27.05 R77.2@107.7,27.05
NetD27_1: D27.1 R78.2 | length 1.5
  Top Layer w0.2: D27.1@109.2,27.05 R78.2@110.7,27.05
NetD28_1: D28.1 R79.2 | length 1.5
  Top Layer w0.2: D28.1@112.2,27.05 R79.2@113.7,27.05
NetD29_1: D29.1 R80.2 | length 1.5
  Top Layer w0.2: D29.1@115.2,27.05 R80.2@116.7,27.05
NetD30_1: D30.1 R81.2 | length 1.5
  Top Layer w0.2: D30.1@118.2,27.05 R81.2@119.7,27.05
NetD31_1: D31.1 R82.2 | length 1.5
  Top Layer w0.2: D31.1@97.2,27.05 R82.2@98.7,27.05